# Altium PCB PCB1.PcbDoc
Units mil, origin at the board's own origin, x right, y up, seen from the top; angles counter-clockwise.
Board outline 1500 x 1900 mil, 2 copper layers (Top Layer, Bottom Layer); 116 components, 98 nets, 497 pads, 133 vias.
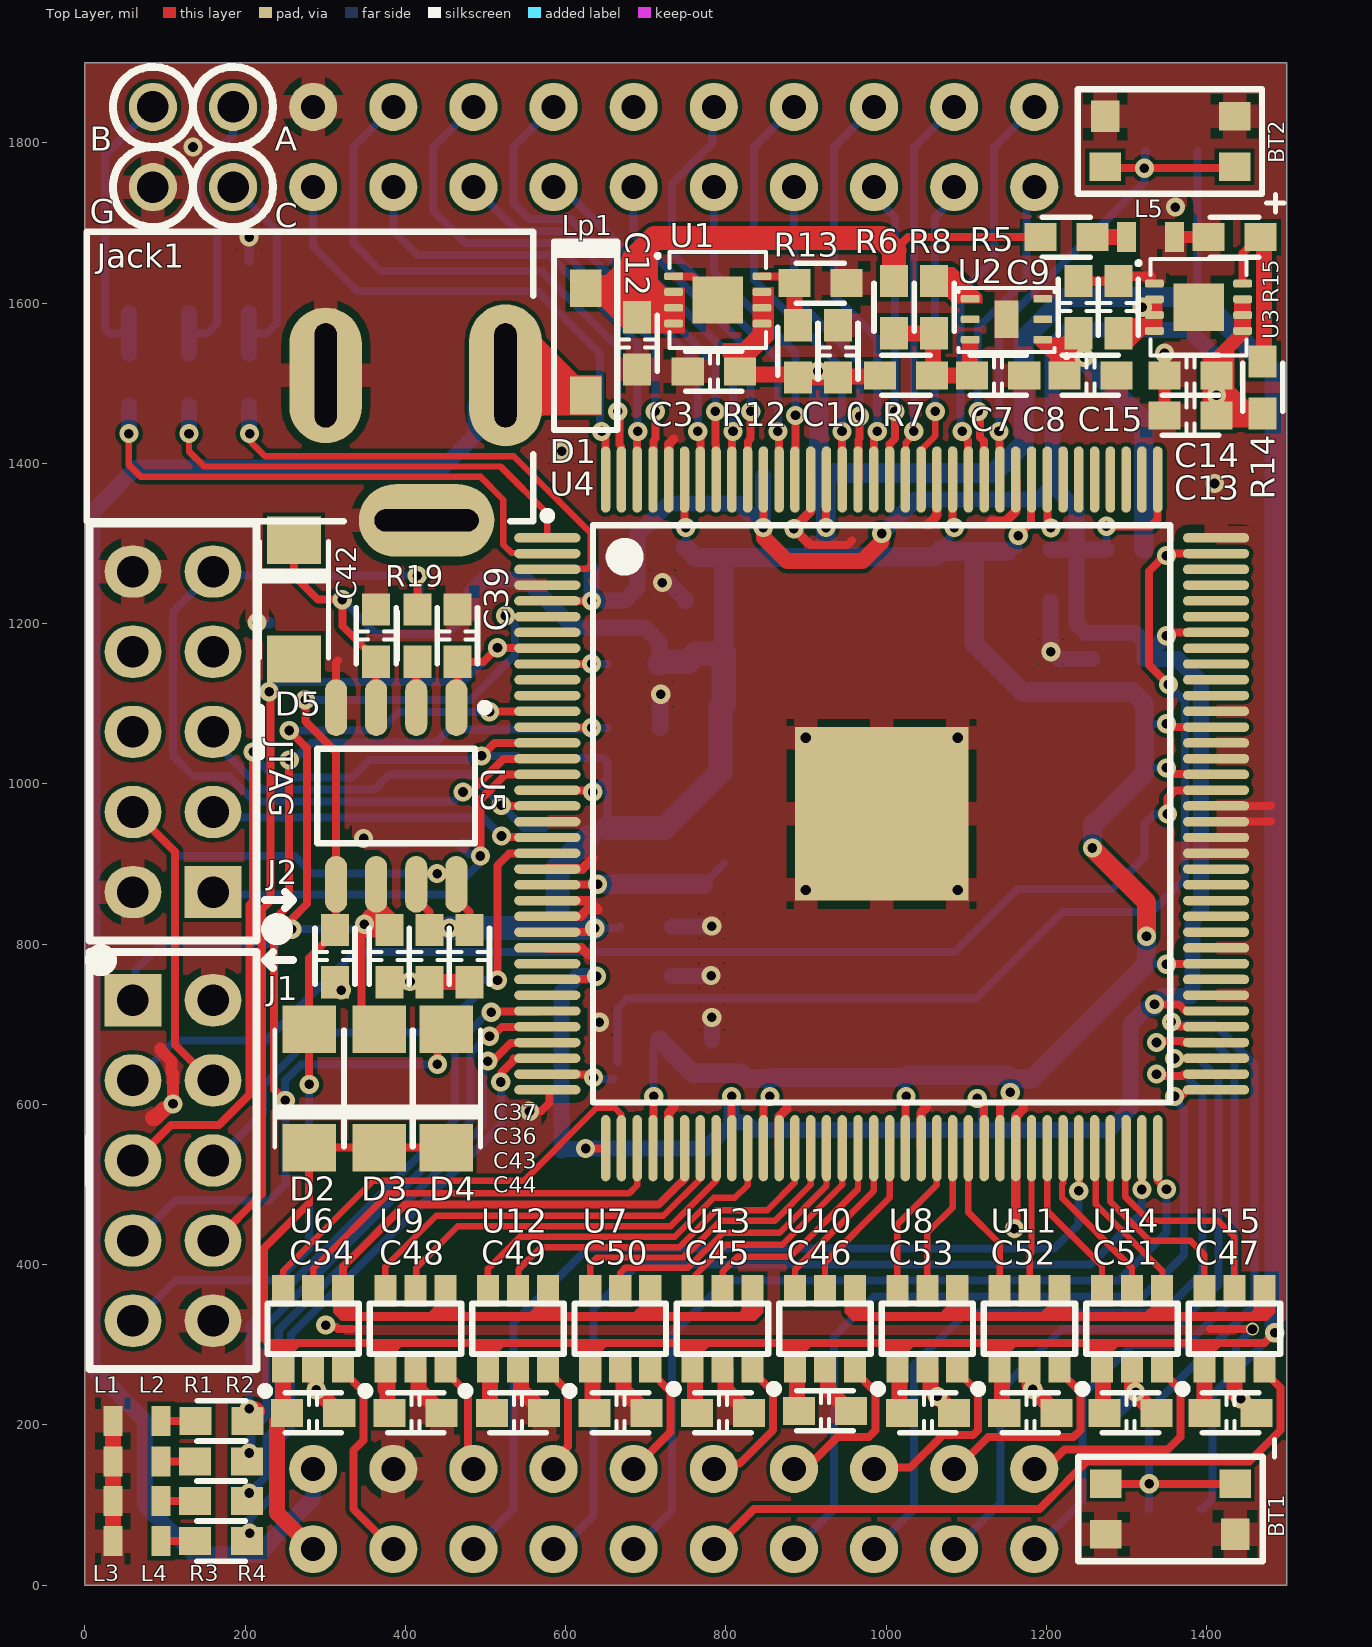
[diagram p0: Top Layer view]
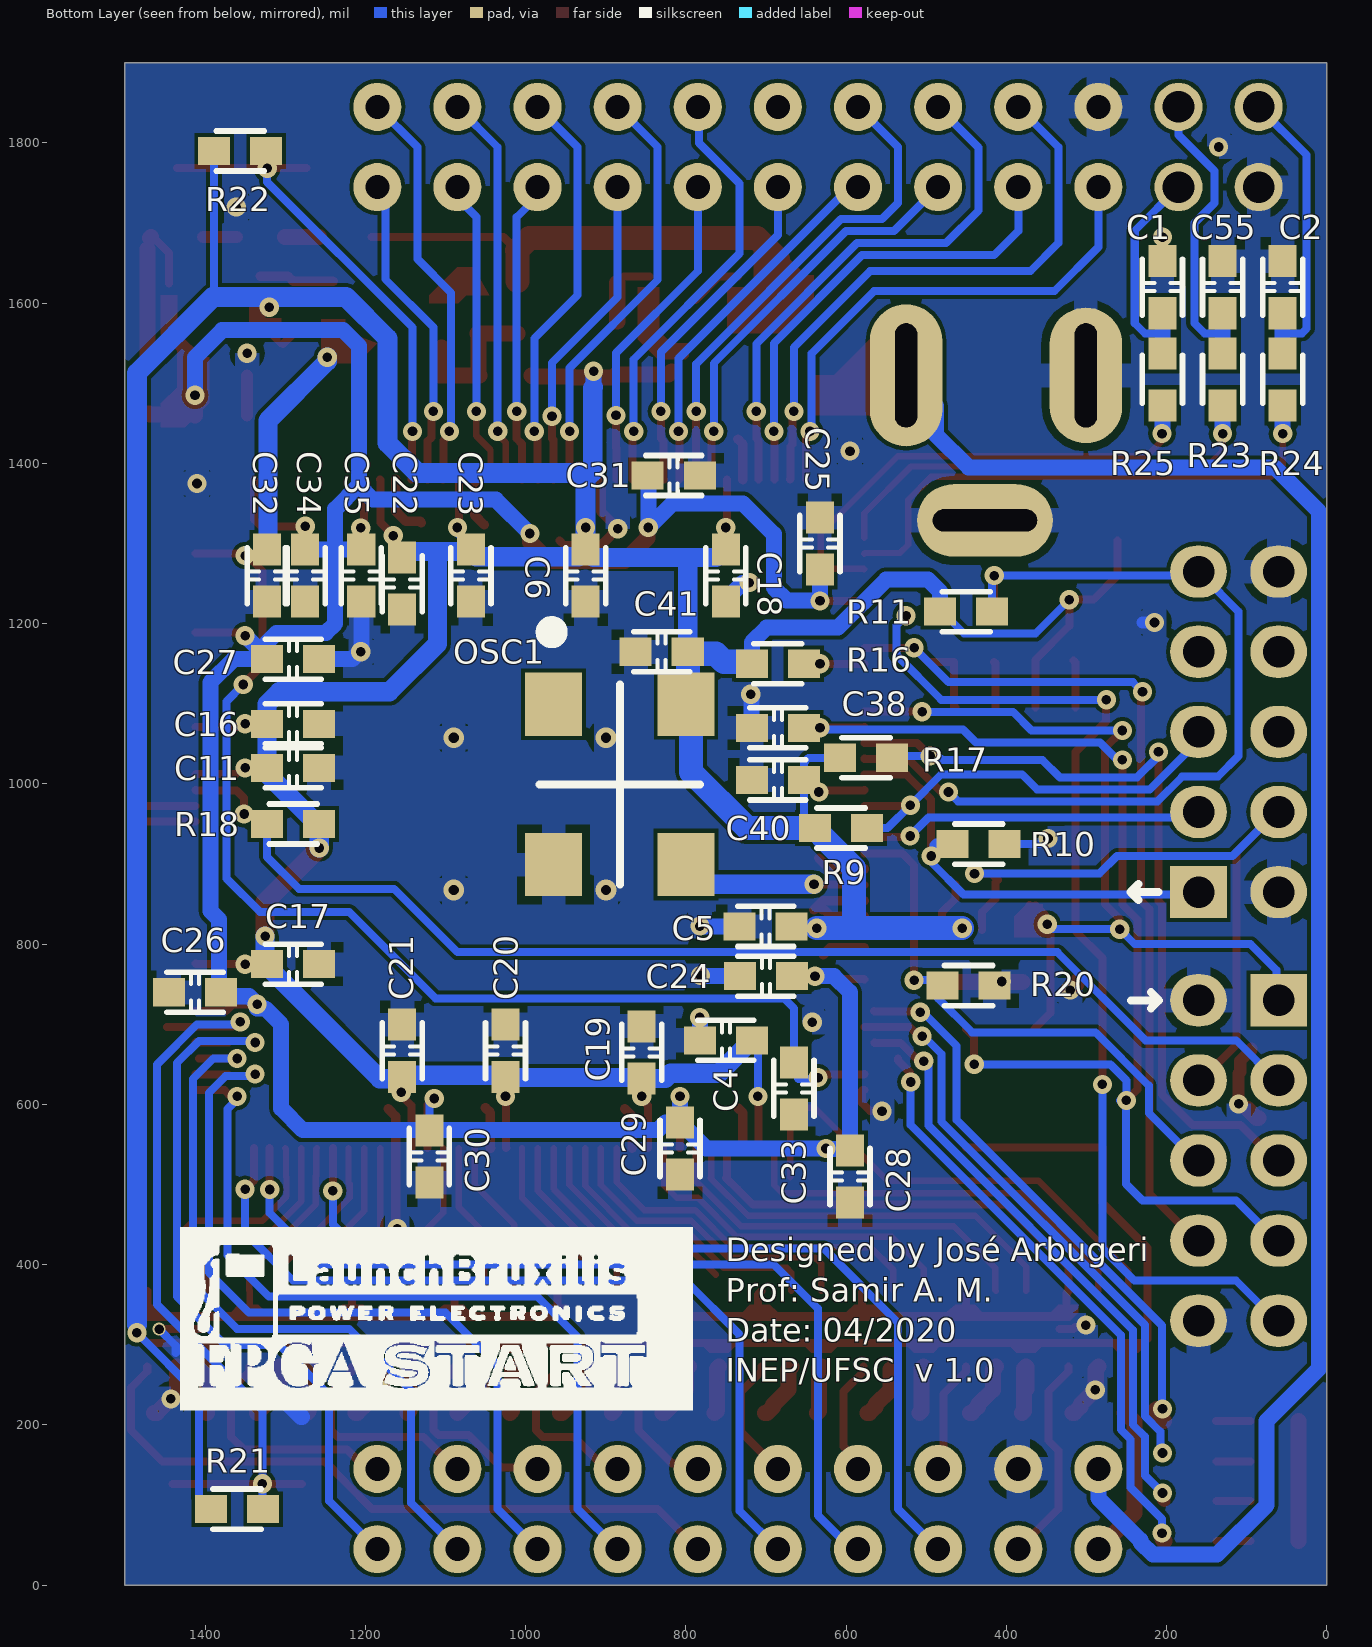
[diagram p1: Bottom Layer view, seen from below]

## Layer stack, top to bottom
Top Solder: solder mask 0.4, Solder Resist, Dk 3.5
Top Layer: signal copper 1.4
Dielectric 1: dielectric 12.6, FR-4, Dk 4.8
Bottom Layer: signal copper 1.4
Bottom Solder: solder mask 0.4, Solder Resist, Dk 3.5

## Board outline
0,0 0,1900 1500,1900 1500,0

## Design rules (kind name [scope] priority, off if disabled: settings)
Clearance [All] p1: gap=5 ignorepadtopadclearanceinfootprint=FALSE except(0: Arc-Text Arc-Hole Track-Text Track-Hole SMDPad-Text SMDPad-Hole THPad-Text THPad-Hole Via-Text Via-Hole Fill-Text Fill-Hole Poly-Text Poly-Hole Region-Text Region-Hole Text-Text Text-Hole)
PolygonConnect [All] p1: connectstyle=Relief reliefconductorwidth=30 reliefentries=4 polygonreliefangle="90 Angle" airgapwidth=10
RoutingVias [All] p1: holewidth=12 width=24 viastyle="Through Hole" minholewidth=11.81 minwidth=23.62 maxholewidth=39.37 maxwidth=80
SolderMaskExpansion [All] p1: expansion=4
Width [All] p1: maxlimit=100 minlimit=6 preferedwidth=10 minimp=50.000000 maximp=50.000000 favimp=50.000000
30 further rules are at their usual default settings.

## Classes and differential pairs
component class Geral: C4 C5 C6 C11 C16 C17 C18 C19 C20 C21 C22 C23 C24 C25 C26 C27 C28 C29 C30 C31 C32 C33 C34 C35 C36 C37 C38 C39 C40 C41 C42 C43 C44 D2 D3 D4 D5 J1 J2 OSC1 R9 R10 R11 R16 R17 R18 R19 R20 U5
component class FPGA: U4
component class Alimentacao: C3 C7 C8 C9 C10 C12 C13 C14 C15 D1 Jack1 L5 R5 R6 R7 R8 R12 R13 R14 R15 U1 U2 U3
component class Perifericos_Schematic: A B BT1 BT2 C C1 C2 C45 C46 C47 C48 C49 C50 C51 C52 C53 C54 C55 G L1 L2 L3 L4 R1 R2 R3 R4 R21 R22 R23 R24 R25 U6 U7 U8 U9 U10 U11 U12 U13 U14 U15
component class DSP's: Lp1

## Components (designator, comment, footprint, x,y, rotation, side; value= is the part's Value field where it differs from the comment)
A "TEST POINT PC MINI .040\"D, 0.010\" x 0.020\" (0.25mm x 0.51mm)" "PC test RED" 185,1845 r90 top
B "TEST POINT PC MINI .040\"D, 0.010\" x 0.020\" (0.25mm x 0.51mm)" "PC test GREEN" 85,1845 r90 top
BT1 "BOTAO SMD_MENOR" "BOTAO SMD - MENOR" 1355,95 r180 top
BT2 "BOTAO SMD_MENOR" "BOTAO SMD - MENOR" 1354.25,1801.81 r0 top
C "TEST POINT PC MINI .040\"D, 0.010\" x 0.020\" (0.25mm x 0.51mm)" "PC test BLUE" 185,1745 r90 top
C1 "0603" 0603C 205,1620 r90 bottom value=100nF
C2 "0603" 0603C 55,1620 r90 bottom value=100nF
C3 "0603" 0603C 785,1515 r180 top value=100nF
C4 "0805" 0603C 750,680 r0 bottom value=100nF
C5 "0805" 0603C 700.34,822.11 r0 bottom value=100nF
C6 "0603" 0603C 925,1260 r270 bottom value=100nF
C7 "0805" 0603C 1140,1510 r0 top value=100nF
C8 "0805" 0603C 1255,1510 r0 top value=47nF
C9 "0805" 0603C 1240,1595 r90 top value=100nF
C10 "0603" 0603C 940,1540 r90 top value=10uF
C11 "0805" 0603C 1290,1020 r180 bottom value=100nF
C12 "0603" 0603C 689.41,1550 r270 top value=10uF
C13 "0603" 0603C 1380,1460 r180 top value=10uF
C14 "0805" 0603C 1380,1510 r180 top value=100nF
C15 "0603" 0603C 1290,1595 r90 top value=10uF
C16 "100nF" 0603C 1290,1075 r0 bottom
C17 "100nF" 0603C 1290,775 r0 bottom
C18 "100nF" 0603C 750,1260 r90 bottom
C19 "100nF" 0603C 855,665 r270 bottom
C20 "100nF" 0603C 1025,667 r270 bottom
C21 "100nF" 0603C 1154,667 r270 bottom
C22 "100nF" 0603C 1154,1250 r90 bottom
C23 "100nF" 0603C 1068.11,1260 r90 bottom
C24 "0603" 0603C 700,760 r0 bottom value=100nF
C25 "0603" 0603C 632.5,1300 r90 bottom value=100nF
C26 "0603" 0603C 1412.5,740 r0 bottom value=100nF
C27 "0603" 0603C 1290,1155.71 r180 bottom value=100nF
C28 "100nF" 0603C 595,510 r90 bottom
C29 "100nF" 0603C 807.19,545 r90 bottom
C30 "100nF" 0603C 1120,535 r90 bottom
C31 "100nF" 0603C 815,1385 r0 bottom
C32 "100nF" 0603C 1322.5,1260 r90 bottom
C33 "100nF" 0603C 665,620 r90 bottom
C34 "100nF" 0603C 1275,1260 r90 bottom
C35 "100nF" 0603C 1205,1260 r90 bottom
C36 "0603" 0603C 312.22,785 r270 top value=10pF
C37 "0603" 0603C 380,785 r270 top value=10pF
C38 "0603" 0603C 685,1070 r0 bottom value=10pF
C39 "0603" 0603C 465,1185 r90 top value=10pF
C40 "10pF" 0603C 685,1005 r180 bottom value=100nF
C41 "0603" 0603C 830,1165 r0 bottom value=100nF
C42 "0603" 0603C 363.61,1185 r90 top value=100nF
C43 "0603" 0603C 430,785 r270 top value=100nF
C44 "0603" 0603C 480,785 r270 top value=100nF
C45 "0603" 0603C 796.43,215 r0 top value=100nF
C46 "0603" 0603C 923.73,217.51 r180 top value=100nF
C47 "0603" 0603C 1430,215 r180 top value=100nF
C48 "0603" 0603C 412.86,215 r180 top value=100nF
C49 "0603" 0603C 540.71,215 r180 top value=100nF
C50 "0603" 0603C 668.57,215 r180 top value=100nF
C51 "0603" 0603C 1305,215 r180 top value=100nF
C52 "0603" 0603C 1180,215 r180 top value=100nF
C53 "0603" 0603C 1052.14,215 r180 top value=100nF
C54 "0603" 0603C 285,215 r180 top value=100nF
C55 "0603" 0603C 130,1620 r90 bottom value=100nF
D1 "Diodo_1" SOD123 625,1551.69 r90 top
D2 "1N4148 SMD" "DIODE SMD LL-34" 280,620 r90 top
D3 "1N4148 SMD" "DIODE SMD LL-34" 367.35,620 r90 top
D4 "1N4148 SMD" "DIODE SMD LL-34" 450.9,620 r90 top
D5 "1N4148 SMD" "DIODE SMD LL-34" 261.11,1230 r270 top
G "TEST POINT PC MINI .040\"D, 0.010\" x 0.020\" (0.25mm x 0.51mm)" "PC test BLACK" 85,1745 r90 top
J1 "Barra de Pinos" BPDC-10 110,1065 r90 top
J2 "Barra de Pinos" BPDC-10 110,530 r270 top
Jack1 "DC Supply Jack" CON_DC_POWER_JACK 412.79,1419.45 r180 top
L1 "LED 0603" "LED SMD 0603" 65,205 r0 top
L2 "LED 0805" "LED SMD 0603" 65,154.57 r0 top
L3 "LED 0805" "LED SMD 0603" 65,105 r0 top
L4 "LED 0805" "LED SMD 0603" 65,55 r0 top
L5 "LED 0805" "LED SMD 0603" 1330,1682.5 r180 top
Lp1 "Launch Pad" LAUNCHPAD_28xxx 285,45 r90 top locked
OSC1 "50MHz" "OSC CB3LV" 882.33,999.41 r270 bottom
R1 "0603" 0603 170.54,205 r180 top value="270 R"
R2 "0805" 0603 170,154.57 r180 top value="270 R"
R3 "0805" 0603 170,105 r180 top value="270 R"
R4 "0805" 0603 170,55 r180 top value="270 R"
R5 "0805" 0603 1225,1682.5 r0 top value="270 R"
R6 "0805" 0603 1010,1595 r90 top value=0
R7 "0805" 0603 1025,1510 r180 top value=0
R8 "0805" 0603 1060,1595 r270 top value=10k
R9 "0603" 0603 606.21,945 r180 bottom value=1k
R10 "0603" 0603 434.5,925 r0 bottom value=1k
R11 "0603" 0603 450,1215 r180 bottom value=1k
R12 "0805" 0603 890,1540 r270 top value=5.36k
R13 "0805" 0603 918,1625 r0 top value=1.2k
R14 "0805" 0603 1470,1495 r270 top value=4.9k
R15 "0805" 0603 1435,1682.5 r180 top value=4.9k
R16 "100R" 0603 685,1150 r0 bottom value=10k
R17 "1K" 0603 575,1032.68 r0 bottom value=10k
R18 "1K" 0603 1290,950 r180 bottom value=10k
R19 "1K" 0603 415,1185 r270 top value=24.9R
R20 "10K" 0603 447,748.37 r0 bottom value=10k
R21 "0603" 0603 1360,95 r0 bottom value=10k
R22 "0603" 0603 1356.21,1790 r0 bottom value=10k
R23 "0603" 0603 130,1505 r90 bottom value=10k
R24 "0603" 0603 55,1505 r90 bottom value=10k
R25 "0603" 0603 205,1505 r90 bottom value=10k
U1 "LP38500SD-ADJ/NOPB" 8-WFDFN 790,1604.12 r0 top
U2 "LP5900SD" 6-WFDFN 1150.28,1580 r180 top
U3 "LP38500SD-ADJ/NOPB" 8-WFDFN 1390,1595 r0 top
U4 "EP4CE6E22C8N" EQFP144_M 994.53,962.68 r0 top
U5 "EPCS16" SOIC8 388.61,985 r270 top
U6 "AD7276" SOT23-6 285,320 r90 top
U7 "AD7276" SOT23-6 668.24,320 r90 top
U8 "AD7276" SOT23-6 1051.48,320 r90 top
U9 "AD7276" SOT23-6 412.75,320 r90 top
U10 "AD7276" SOT23-6 923.73,320 r90 top
U11 "AD7276" SOT23-6 1179.23,320 r90 top
U12 "AD7276" SOT23-6 540.49,320 r90 top
U13 "AD7276" SOT23-6 795.99,320 r90 top
U14 "AD7276" SOT23-6 1306.98,320 r90 top
U15 "AD7276" SOT23-6 1434.72,320 r90 top

## Footprints (in the part's own frame and the unit in brackets; to place one, negate y for a bottom-side part, rotate by r counter-clockwise, add the part's x,y. Pads: shape width x height; smd on the part's side, far side on the other; paste and mask are expansions set on the pad)
6-WFDFN [mm] "SOIC, 8-Leads"
  rrect50% 0.6x0.25 smd: 1(-1.15,0.65) 2(-1.15,0) 3(-1.15,-0.65) 4(1.15,-0.65) 5(1.15,0) 6(1.15,0.65)
  rect 0.75x1.2 smd: 7(0,0)
  silkscreen extent -1.97,-0.99 1.52,1.23, body extent -1.04,-1 1.04,1, height 0.65
8-WFDFN [mm] "SOIC, 8-Leads, Body 4.9x3.9mm, Pitch 1.27mm"
  rrect50% 0.6x0.25 smd: 1(-1.4,0.75) 2(-1.4,0.25) 3(-1.4,-0.25) 4(-1.4,-0.75) 5(1.4,-0.75) 6(1.4,-0.25) 7(1.4,0.25) 8(1.4,0.75)
  rect 1.6x1.5 smd: 9(0,0)
  silkscreen extent -1.97,-1.52 1.52,1.52, body extent -1.51,-1.51 1.51,1.49, height 0.8
0603 [mil]
  rect 40x35 smd: 1(-32.5,0) 2(32.5,0)
  silkscreen extent -30,-25 30,25, body extent -31,-16 32,16, height 16
0603C [mil]
  rect 40x35 smd: 1(-32.5,0) 2(32.5,0)
  silkscreen extent -35,-25 35,25, body extent -32,-16 32,16, height 31
"BOTAO SMD - MENOR" [mm]
  rect 0.9x1 smd: 1(-2.05,0.8)
  rect 1x0.9 smd: 2(2.05,0.8) 3(-2.05,-0.8) 4(2.05,-0.8)
  silkscreen extent -2.92,-1.65 2.92,1.65, body extent -2.3,-1.5 2.3,1.5, height 2.1
BPDC-10 [mm]
  rect 1.651x1.8 hole 1: 1(-5.08,-1.27)
  oval 1.651x1.8 hole 1: 2(-5.08,1.27) 3(-2.54,-1.27) 4(-2.54,1.27) 5(0,-1.27) 6(0,1.27) 7(2.54,-1.27) 8(2.54,1.27) 9(5.08,-1.27) 10(5.08,1.27)
  silkscreen extent -6.61,-3.56 6.61,2.64, body extent -6.35,-2.54 6.35,2.54, height 5.94
CON_DC_POWER_JACK [mm]
  oval 2.3x4.5 hole 0.7 slot 3.3 at 90 deg: 1(-2.85,-2.3)
  oval 4.3x2.3 hole 0.7 slot 3.302 at 0 deg: 2(-0.35,2.3)
  oval 2.3x4.3 hole 0.7 slot 3.302 at 90 deg: 3(2.85,-2.3)
  silkscreen extent -3.73,-6.85 10.42,2.32, body extent -4.07,-6.87 10.43,2.53, height 11
"DIODE SMD LL-34" [mm]
  rect 1.5x1.7 smd: A(1.88,0) K(-1.88,0)
  silkscreen extent -1.85,-1.09 1.85,1.09, body extent -1.75,-0.75 1.75,0.75, height 1.54
EQFP144_M [mm]
  oval 2.1x0.3 smd: 1(-10.6,8.75) 2(-10.6,8.25) 3(-10.6,7.75) 4(-10.6,7.25) 5(-10.6,6.75) 6(-10.6,6.25) 7(-10.6,5.75) 8(-10.6,5.25) 9(-10.6,4.75) 10(-10.6,4.25) 11(-10.6,3.75) 12(-10.6,3.25) 13(-10.6,2.75) 14(-10.6,2.25) 15(-10.6,1.75) 16(-10.6,1.25) 17(-10.6,0.75) 18(-10.6,0.25) 19(-10.6,-0.25) 20(-10.6,-0.75) 21(-10.6,-1.25) 22(-10.6,-1.75) 23(-10.6,-2.25) 24(-10.6,-2.75) 25(-10.6,-3.25) 26(-10.6,-3.75) 27(-10.6,-4.25) 28(-10.6,-4.75) 29(-10.6,-5.25) 30(-10.6,-5.75) 31(-10.6,-6.25) 32(-10.6,-6.75) 33(-10.6,-7.25) 34(-10.6,-7.75) 35(-10.6,-8.25) 36(-10.6,-8.75) 73(10.6,-8.75) 74(10.6,-8.25) 75(10.6,-7.75) 76(10.6,-7.25) 77(10.6,-6.75) 78(10.6,-6.25) 79(10.6,-5.75) 80(10.6,-5.25) 81(10.6,-4.75) 82(10.6,-4.25) 83(10.6,-3.75) 84(10.6,-3.25) 85(10.6,-2.75) 86(10.6,-2.25) 87(10.6,-1.75) 88(10.6,-1.25) 89(10.6,-0.75) 90(10.6,-0.25) 91(10.6,0.25) 92(10.6,0.75) 93(10.6,1.25) 94(10.6,1.75) 95(10.6,2.25) 96(10.6,2.75) 97(10.6,3.25) 98(10.6,3.75) 99(10.6,4.25) 100(10.6,4.75) 101(10.6,5.25) 102(10.6,5.75) 103(10.6,6.25) 104(10.6,6.75) 105(10.6,7.25) 106(10.6,7.75) 107(10.6,8.25) 108(10.6,8.75)
  oval 0.3x2.1 smd: 37(-8.75,-10.6) 38(-8.25,-10.6) 39(-7.75,-10.6) 40(-7.25,-10.6) 41(-6.75,-10.6) 42(-6.25,-10.6) 43(-5.75,-10.6) 44(-5.25,-10.6) 45(-4.75,-10.6) 46(-4.25,-10.6) 47(-3.75,-10.6) 48(-3.25,-10.6) 49(-2.75,-10.6) 50(-2.25,-10.6) 51(-1.75,-10.6) 52(-1.25,-10.6) 53(-0.75,-10.6) 54(-0.25,-10.6) 55(0.25,-10.6) 56(0.75,-10.6) 57(1.25,-10.6) 58(1.75,-10.6) 59(2.25,-10.6) 60(2.75,-10.6) 61(3.25,-10.6) 62(3.75,-10.6) 63(4.25,-10.6) 64(4.75,-10.6) 65(5.25,-10.6) 66(5.75,-10.6) 67(6.25,-10.6) 68(6.75,-10.6) 69(7.25,-10.6) 70(7.75,-10.6) 71(8.25,-10.6) 72(8.75,-10.6) 109(8.75,10.6) 110(8.25,10.6) 111(7.75,10.6) 112(7.25,10.6) 113(6.75,10.6) 114(6.25,10.6) 115(5.75,10.6) 116(5.25,10.6) 117(4.75,10.6) 118(4.25,10.6) 119(3.75,10.6) 120(3.25,10.6) 121(2.75,10.6) 122(2.25,10.6) 123(1.75,10.6) 124(1.25,10.6) 125(0.75,10.6) 126(0.25,10.6) 127(-0.25,10.6) 128(-0.75,10.6) 129(-1.25,10.6) 130(-1.75,10.6) 131(-2.25,10.6) 132(-2.75,10.6) 133(-3.25,10.6) 134(-3.75,10.6) 135(-4.25,10.6) 136(-4.75,10.6) 137(-5.25,10.6) 138(-5.75,10.6) 139(-6.25,10.6) 140(-6.75,10.6) 141(-7.25,10.6) 142(-7.75,10.6) 143(-8.25,10.6) 144(-8.75,10.6)
  rect 5.5x5.5 smd mask-0.7: 145(0,0)
  silkscreen extent -10.72,-9.15 9.15,9.57, body extent -11.02,-11 10.98,11, height 1.63
LAUNCHPAD_28xxx [mil]
  round 60 hole 30: 1(0,0) 1a(1700,0) 2(0,-100) 2a(1700,-100) 3(0,-200) 3a(1700,-200) 4(0,-300) 4a(1700,-300) 5(0,-400) 5a(1700,-400) 6(0,-500) 6a(1700,-500) 7(0,-600) 7a(1700,-600) 8(0,-700) 8a(1700,-700) 9(0,-800) 9a(1700,-800) 10(0,-900) 10a(1700,-900) 11(100,-900) 11a(1800,-900) 12(100,-800) 12a(1800,-800) 13(100,-700) 13a(1800,-700) 14(100,-600) 14a(1800,-600) 15(100,-500) 15a(1800,-500) 16(100,-400) 16a(1800,-400) 17(100,-300) 17a(1800,-300) 18(100,-200) 18a(1800,-200) 19(100,-100) 19a(1800,-100) 20(100,0) 20a(1800,0)
"LED SMD 0603" [mm] "Chip Diode, 2-Leads, Body 2,03x0,80mm, IPC Medium Density"
  rect 0.6x0.95 smd: 1(0.762,0) 2(-0.762,0)
  body extent -0.83,-0.34 0.83,0.89, height 0.68
"OSC CB3LV" [mm]
  rect 2x1.8 smd: 1(-2.54,-2.1) 2(2.54,-2.1) 3(2.54,2.1) 4(-2.54,2.1)
  silkscreen extent -5.08,-2.54 3.17,2.54, body extent -3.18,-2.54 3.17,2.54, height 1
"PC test BLACK" [mil]
  round 60 hole 39.37: 1(0,0)
  silkscreen extent -50,-50 50,50, body extent -50,-50 50,50, height 180
"PC test BLUE" [mil]
  round 60 hole 39.37: 1(0,0)
  silkscreen extent -50,-50 50,50, body extent -50,-50 50,50, height 180
"PC test GREEN" [mil]
  round 60 hole 39.37: 1(0,0)
  silkscreen extent -50,-50 50,50, body extent -50,-50 50,50, height 180
"PC test RED" [mil]
  round 60 hole 39.37: 1(0,0)
  silkscreen extent -50,-50 50,50, body extent -50,-50 50,50, height 180
SOD123 [mm]
  rect 1.2x1 smd: 1(-1.7,0) 2(1.7,0)
  silkscreen extent -2.79,-1.02 3.18,1, body extent -1.92,-0.86 1.93,0.84, height 1.42
SOIC8 [mm]
  oval 1.8x0.7 smd: 1(-2.8,1.905) 2(-2.8,0.635) 3(-2.8,-0.635) 4(-2.8,-1.905) 5(2.8,-1.905) 6(2.8,-0.635) 7(2.8,0.635) 8(2.8,1.905)
  silkscreen extent -2.92,-2.5 1.5,2.93, body extent -3,-2.45 3,2.45, height 1.75
SOT23-6 [mm]
  rect 1x0.7 smd: 1(-1.2,0.95) 2(-1.2,0) 3(-1.2,-0.95) 4(1.2,-0.95) 5(1.2,0) 6(1.2,0.95)
  silkscreen extent -2.1,-1.45 0.8,1.65, body extent -1.5,-1.5 1.5,1.5, height 1.4

## Part data
A B C G: library part "Test Point Keystone", "PC Test Point, Miniature Phosphor Bronze, Silver Plating 0.040\" (1.02mm) Hole Diameter Mounting Type", ComponentLink1Description=Digikey, ComponentLink1URL=https://www.digikey.com/product-detail/en/keystone-electronics/5000/36-5000-ND/255326
BT1 BT2: "SWITCH TACTILE SPST-NO 0.05A 32V", Supplier Part Number 1=CKN10244CT-ND, Supplier 1=Digi-Key
C1 C2 C3 C4 C5 C6 C7 C8 C9 C10 C11 C12 C13 C14 C15 C16 C17 C18 C19 C20 C21 C22 C23 C24 C25 C26 C27 C28 C29 C30 C31 C32 C33 C34 C35 C36 C37 C38 C39 C40 C41 C42 C43 C44 C45 C46 C47 C48 C49 C50 C51 C52 C53 C54 C55: library part "Capacitor SMD 0603", "Capacitor SMD 0603"
D1: "DIODE SCHOTTKY 20V 0.5A SOD123", Supplier Part Number 1=MBR0520LCT-ND, Supplier 1=Digi-Key
D2 D3 D4 D5: library part "Diodo Sinal SMD 1N4148", "Diodo Sinal SMD LL-34"
J1 J2: library part "Barra 5X2 Pinos PTH", "Barra 5X2 Pinos PTH", Manufacturer=Metaltex, Manufacturer PN=BPSC-10, Distributor=Digikey
Jack1: library part DC_Power_connector
L1 L2 L3 L4 L5: library part "LED 0603 SMD", "Typical INFRARED GaAs LED", LatestRevisionDate=08-Jul-2005, LatestRevisionNote="Mech Layer 1 removed.", PackageReference=LED-0, Published=8-Jun-2000, Publisher="Altium Limited"
Lp1: library part LaunchPad_28xxx
OSC1: library part OSCILLATOR_INEP, "OSC XO 50.00MHZ HCMOS TTL SMD", Supplier Part Number 1=CTX283LVCT-ND, Supplier 1=Digi-Key
R1 R2 R3 R4 R5 R6 R7 R8 R9 R10 R11 R12 R13 R14 R15 R16 R17 R18 R19 R20 R21 R22 R23 R24 R25: library part "Resistor SMD 0603 1/10 W", "Resistor SMD 0603 1/10 W", %=±1%, P=1/8W
U1 U3: "1.5-A Flexcap Low-Dropout Linear Regulator", ComponentLink1Description="Manufacturer Link", ComponentLink1URL=http://www.ti.com/lit/ds/symlink/lp38500-adj.pdf, DatasheetVersion=Sept-2015, LatestRevisionDate=26-Mar-2019, LatestRevisionNote="IPC-7351 Footprint Added.", PackageDescription="8-WFDFN Exposed Pad", PackageReference="e 8-WSON (3x2.5)", PackageVersion=Nov-2007, Published=26-Mar-2019, Publisher="Altium Limited"
U2: library part LP5900SD-2.5/NOPB, "1.5-A Flexcap Low-Dropout Linear Regulator", ComponentLink1Description="Manufacturer Link", ComponentLink1URL=http://www.ti.com/lit/ds/symlink/lp38500-adj.pdf, DatasheetVersion=june-2016, LatestRevisionDate=26-Mar-2019, LatestRevisionNote="IPC-7351 Footprint Added.", PackageDescription="6-WFDFN Exposed Pad", PackageReference="6-WSON (3x2.5)", PackageVersion=Nov-2007, Published=26-Mar-2019, Publisher="Altium Limited"
U4: "IC FPGA 91 I/O 144EQFP", Supplier Part Number 1=544-2746-ND, Supplier 1=Digi-Key
U5: library part EPCS16SI8N, "IC CONFIG DEVICE 16MBIT 8SOIC", Supplier Part Number 1=544-2567-5-ND, Supplier 1=Digi-Key
U6 U7 U8 U9 U10 U11 U12 U13 U14 U15: library part AD7276AUJZ-500RL7, "IC ADC 12BIT 3MSPS 6TSOT", Supplier Part Number 1=AD7276AUJZ-500RL7CT-ND, Supplier 1=Digi-Key

## Via types
v1: diameter 24, hole 12, Top Layer to Bottom Layer, tented both sides, 127 vias
v2: diameter 25.98, hole 12.99, Top Layer to Bottom Layer, tented both sides, 4 vias
v3: diameter 16, hole 12, Top Layer to Bottom Layer, tented both sides, 1 vias
v4: diameter 24, hole 12, Top Layer to Bottom Layer, 1 vias

## Nets (pads, with @x,y where several pads share a name; then routed paths per layer and width w, separated by ;. In a path a pad name is that pad's centre, name@x,y a point inside that pad or via, vN(x,y) a via of type N, cw(c..) or ccw(c..) an arc to the next point about the centre after c; other vN are vias at no path point)
1V2: C13.1 C14.1 C24.1 C25.1 C26.1 C27.1 C28.2 C29.2 C30.2 C31.2 C34.2 C35.2 R14.2 U3.5 U3.6 U3.7 U4.5 U4.29 U4.37 U4.45 U4.61 U4.78 U4.102 U4.109 U4.116 U4.134 | length 4210.5
  Top Layer w10: U4.29 577.55,756.33 625.82,756.33 ; U4.5 v1(632.5,1228.43) ; v1(625,545) 649.68,545 U4.37 ; v1(807.19,610) 807.35,609.83 807.35,545.52 U4.45 ; v1(846.69,1320) 846.79,1320.1 846.79,1379.9 U4.134 ; v1(1113.89,607.32) 1122.13,599.08 1122.13,545.7 U4.61 ; U4.116 1201.57,1379.66 v1@1201.57,1329.12 ; v1(1205.78,1319.54) 1205.78,1323.01 v1@1205,1323.79 ; v1(1275,1321.53) 1330.14,1321.53 1338.67,1330.07 1338.67,1379.66 U4.109 ; v1@1335,720 1340,725 1360,725 1360.04,724.96 1365.26,724.96 1373.61,716.62 U4.78 ; v1(1350,1185) 1351.45,1185 1355.51,1189.06 U4.102 ; v1@1201.57,1329.12 1205,1325.68 v1@1205,1323.79 ; v1@1201.57,1329.12 1201.57,1327.22 v1@1205,1323.79
  Top Layer w20: v1(846.69,1320) 847.46,1319.23 847.46,1307.21 876.67,1278 970.36,1278 994.53,1302.16 v1(994.53,1312.57) ; C14.1@1412.5,1505 v1(1412.5,1485) C13.1 1413.75,1461.25 1468.75,1461.25 R14.2
  Bottom Layer w10: C31.2@846.69,1384.19 C31.2 ; v1(1113.89,607.32) 1120,601.21 1120,567.82 C30.2 ; C34.2 v1(1275,1321.53)
  Bottom Layer w20: C28.2 595,740 615,760 v1(638.71,760) ; C28.2@595,547.5 598.27,544.23 624.23,544.23 v1(625,545) 774.69,545 C29.2@797.19,567.5 ; C25.1 v1(632.5,1228.43) 633.27,1229.19 674.19,1229.19 690,1245 690,1311.72 728.28,1350 816.69,1350 v1(846.69,1320) C31.2@846.69,1384.19 ; v1(807.19,610) C29.2 825.01,577.5 834.69,567.82 1120,567.82 1277.82,567.82 1305,595 1305,700 1325,720 v1@1335,720 ; v1(994.53,1312.57) 1036.96,1355 1190.41,1355 1208,1372.59 ; C35.2 1237.5,1292.5 ; C34.2 1237.5,1292.5 ; C27.1 C27.1@1322.5,1157.5 ; C27.1@1325,1155.71 1364.29,1155.71 1393.29,1126.71 1393.29,841.56 1382.5,830.77 1382.5,740 C26.1 ; v1(1335,725) 1345,735 C26.1@1379.92,735 ; v1(1350,1185) C27.1@1322.5,1157.5 ; v1(1412.5,1485) 1412.5,1532.5 1378.57,1566.43 1227.77,1566.43 1208,1546.66 1208,1372.59 ; 1208,1372.59 1237.5,1343.09 1237.5,1292.5 ; 1237.5,1292.5 1237.5,1200.15 1249.22,1188.43 1310.79,1188.43 1322.5,1176.72 C27.1@1322.5,1157.5
2V5: C8.1 C9.1 C32.2 C33.2 U2.1 U4.35 U4.107 | length 1694.5
  Top Layer w10: U4.35 577.55,637.53 627.18,637.53 631.21,633.5 v1(635,633.5) ; v1(1352.43,1124.1) 1328,1148.53 1328,1265.46 1350.02,1287.48 U4.107
  Bottom Layer w10: v1(635,633.5) 636.5,632 659.5,632 660,632.5 ; C33.2 665,720 677.5,732.5 1112.5,732.5 1220,840 1331.15,840 1373.29,882.14 1373.29,1103 1352.43,1123.85 v1(1352.43,1124.1)
  Bottom Layer w24: v1(1247.5,1532.5) 1247.5,1527.5 1321.5,1453.5 1321.5,1293.5 C32.2
  other v1: 1350.02,1285
3V3: C3.1 C4.1 C5.1 C6.1 C10.1 C11.1 C15.1 C16.2 C17.2 C18.2 C19.2 C20.2 C21.2 C22.2 C23.2 C40.2 C41.1 C42.1 C43.1 C44.1 C45.1 C46.2 C47.2 C48.2 C49.2 C50.2 C51.2 C52.2 C53.2 C54.2 D2.K D3.K D4.K D5.K J1.4 J2.4 Lp1.1 OSC1.4 R7.2 R9.1 R11.1 R12.2 R16.2 R17.2 R18.2 R21.2 R22.2 U1.5 U1.6 U1.7 U3.2 U3.3 U3.4 U4.17 U4.26 U4.40 U4.47 U4.56 U4.62 U4.81 U4.93 U4.96 U4.117 U4.122 U4.130 U4.139 U5.3 U5.7 U5.8 U6.1 U7.1 U8.1 U9.1 U10.1 U11.1 U12.1 U13.1 U14.1 U15.1 | length 11061.2
  Top Layer w10: J1.4 62.93,965 112.5,915.43 112.5,674.57 157.07,630 J2.4 ; U6.1 247.6,302.44 ; D5.K 261.16,1303.95 261.16,1260 291.16,1230 v1(321.27,1230) 321.27,1197.34 363.61,1155 C42.1 U5.3 ; C43.1 430,840 413.61,856.39 U5.7 413.61,876.89 410.5,880 418.56,888.06 v1(439.64,888.06) ; D4.K@450,546 D3.K D2.K 280,476.96 223.82,420.78 223.82,307.44 228.82,302.44 247.6,302.44 ; U5.8 463.61,856.39 480,840 C44.1 ; U4.26 577.55,815.39 628.1,815.39 632.71,820 v1(636.5,820) ; U4.17 577.55,991.86 v1@628.14,991.86 ; U4.40 709.44,545.7 709.44,609.44 v1(710,610) ; U4.139 748.47,1321.53 v1(750,1320) ; U4.47 847.24,545.7 847.24,598.45 855,606.21 v1(855,610) ; v1(925,1320) 925.31,1320.31 925.31,1379.69 U4.130 ; U4.56 1024.4,545.7 v1@1024.4,605.61 ; v1@1083.11,1321.53 U4.122 ; U4.62 1142.51,545.7 1142.51,598.72 1155,611.21 v1(1155,615) ; v1(1165,1310) 1181.19,1326.19 1181.19,1379.66 U4.117 ; 1269.27,293.23 1278.48,302.44 ; C15.1 1290,1561.71 C15.1@1302.5,1549.21 ; v1(1350,775) 1350.34,775.34 1411.51,775.34 U4.81 ; v1@1357.5,1071.29 1411.5,1071.29 U4.96 ; 1361.55,1012.24 1411.5,1012.24 U4.93 ; v1(1485,315) 1472.44,302.44 1278.48,302.44 ; 247.6,302.44 1278.48,302.44